# KiCad board AmigaPCI Mainboard.kicad_pcb (continued)
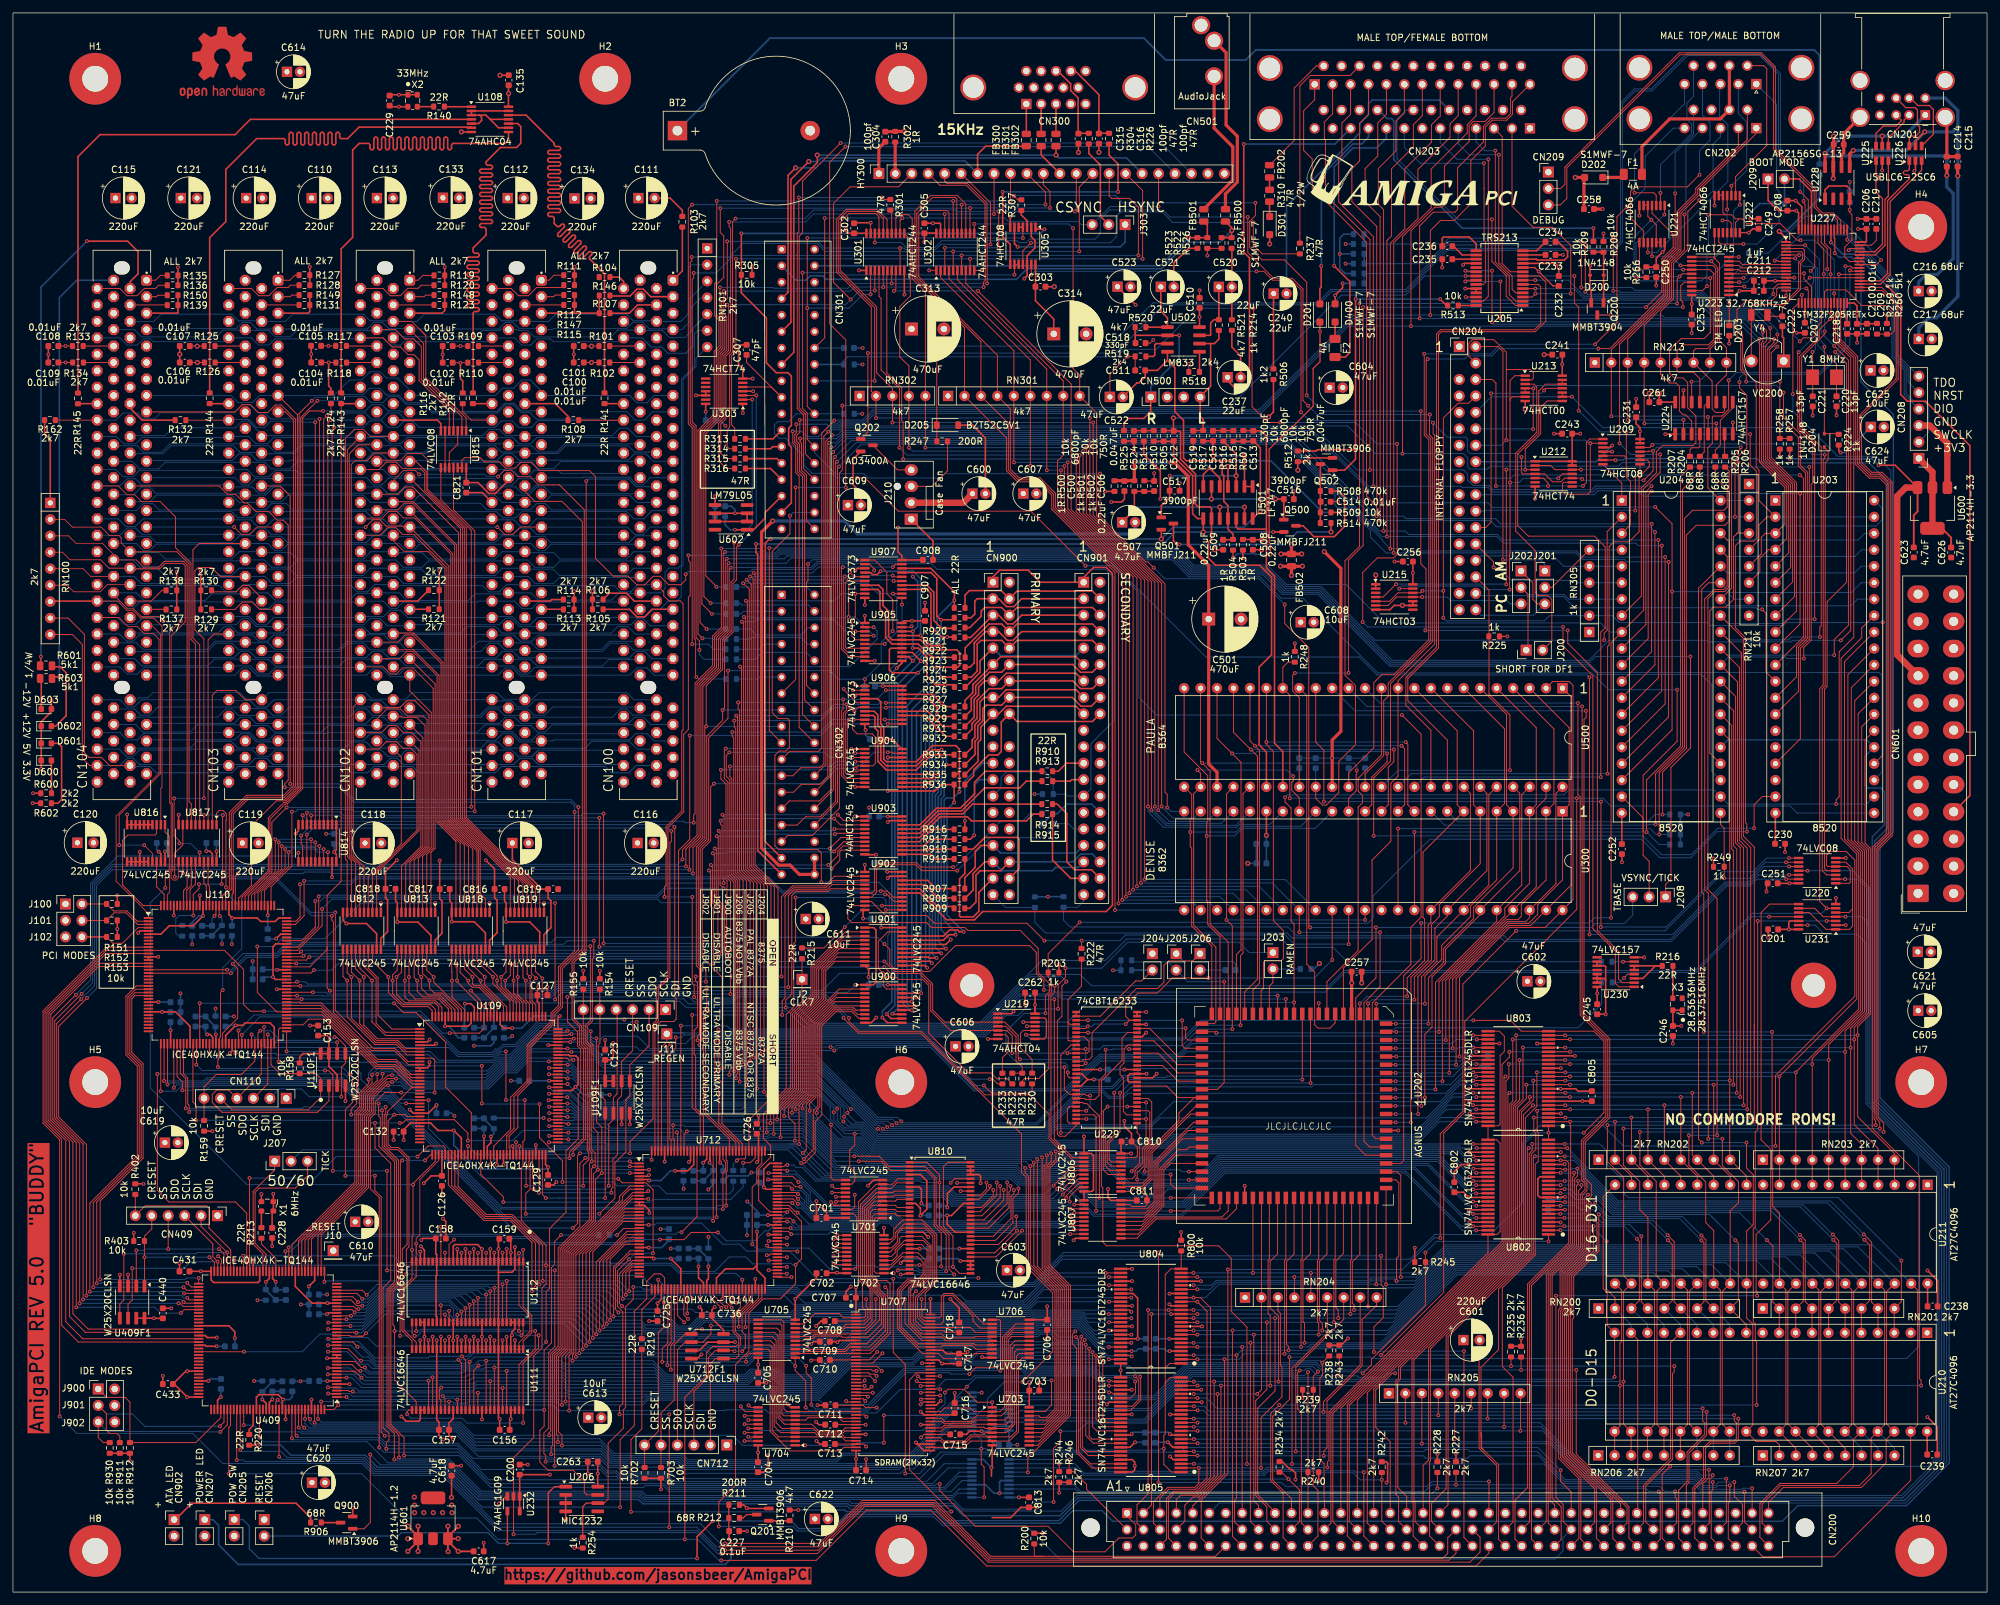
[diagram p0: board, top side]
## Routing (per net, layer and track width the routed paths; a pad name or vN(x,y) marks a point on that pad's centre or on a via; arc(x,y) is an arc through that point) (continued)
LVD30: length 366.3
  Top w0.15: 128.75,51.2 127.26,51.2 ; v1(135.87,154.17) 135.87,154.17 U907.12 ; U109.106 85.66,85.94 85.88,86.16 v1(86.23,86.16) ; v1(134.59,146.41) 134.57,146.39 U905.6 ; U409.45 44.09,54.19 53.09,63.19 53.09,74.06 53.84,74.8 53.84,77.03 55.44,78.63 v1(55.44,79.9) ; v1(112.75,155.78) 112.77,155.78 113.69,154.86 113.69,111.92 116.49,109.12 v1(116.49,83.63) ; U803.27 226.01,85.33 v1(226.01,85.33)
  In2.Cu w0.15: v1(127.26,51.21) 126.59,51.21 125.78,52.02 125.78,74.1 126.81,75.13 v1(126.81,83.62)
  Bottom w0.15: v1(134.59,146.41) 136.45,148.27 136.45,153.59 v1(135.87,154.17) 133.6,154.17 131.99,155.78 v1(112.75,155.78) ; v1(226.01,85.33) 222.83,85.33 222.21,84.7 182.04,84.7 180.07,82.74 167.86,82.74 162.52,77.4 148.38,77.4 141.7,84.08 127.46,84.08 127,83.62 v1(126.81,83.62) 116.5,83.62 v1(116.49,83.63) 96.78,83.63 96.21,84.2 89.99,84.2 88.04,86.16 v1(86.23,86.16) 81.21,86.16 77.03,81.98 75.16,81.98 73.13,79.94 60.73,79.94 59.74,80.94 56.47,80.94 v1(55.44,79.9)
LVD31: length 370.6
  Top w0.15: v1(225.46,85.97) 225.46,85.97 U803.26 ; v1(85.63,86.69) 85.38,86.44 U109.107 ; v1(135.84,156.95) 136.02,156.77 U907.16 ; 128.75,50.56 126.69,50.56 ; v1(117.56,84.15) 117.56,108.9 114.29,112.17 114.29,156.47 113.93,156.83 v1(113.82,156.83) ; U905.8 128.87,145.09 128.21,145.75 128.21,156.6 v1(128.44,156.83) ; U409.47 43.09,53.62 52.79,63.32 52.79,74.18 53.53,74.93 53.53,77.15 54.91,78.53 v1(54.91,79.13)
  In2.Cu w0.15: v1(126.69,50.55) 125.48,51.76 125.48,74.22 126.25,75 v1(126.25,84.15)
  Bottom w0.15: v1(113.82,156.83) v1(128.44,156.83) 131.12,156.83 131.24,156.95 v1(135.84,156.95) ; v1(225.46,85.97) 224.47,85.97 224.36,85.85 185.99,85.85 185.96,85.82 182.74,85.82 179.95,83.04 167.73,83.04 162.39,77.7 148.51,77.7 141.83,84.38 127.21,84.38 126.98,84.15 v1(126.25,84.15) v1(117.56,84.15) 117.56,84.16 112.07,84.16 111.84,83.93 98.33,83.93 96.43,85.83 91.2,85.83 90.34,84.96 89.66,84.96 87.94,86.69 v1(85.63,86.69) 81.31,86.69 76.91,82.28 75.04,82.28 73.23,80.47 60.63,80.47 59.86,81.23 56.03,81.23 54.91,80.12 v1(54.91,79.13)
LVDRA0-G: length 53.1
  Top w0.15: v1(121.59,62.58) 120.83,62.58 120.21,63.2 U712.102 ; U806.7 164.52,63.82 v1(162.08,61.38)
  Bottom w0.15: v1(162.08,61.38) 161.19,60.49 145.34,60.49 144.02,61.81 134.4,61.81 131.21,58.62 124.52,58.62 122.8,60.35 122.8,61.37 v1(121.59,62.58)
LVDRA1-0: length 53
  Top w0.15: U712.101 119.85,62.7 v1(120.29,62.26) ; U806.8 164.62,63.18 162.62,61.18 v1(162.62,60.86)
  Bottom w0.15: v1(120.29,62.26) 120.56,61.99 121.75,61.99 122.5,61.24 122.5,60.23 124.4,58.32 131.34,58.32 134.53,61.51 143.89,61.51 145.22,60.19 161.96,60.19 v1(162.62,60.86)
LVDRA2-1: length 52.5
  Top w0.15: v1(163.15,60.28) 163.15,61.05 164.62,62.52 165.36,62.52 ; v1(121.21,61.46) 120.97,61.7 U712.99
  Bottom w0.15: v1(163.15,60.28) 162.47,60.28 162.08,59.89 145.09,59.89 143.77,61.21 134.65,61.21 131.46,58.02 124.27,58.02 122.2,60.1 122.2,60.47 v1(121.21,61.46)
LVDRA3-2: length 50.8
  Top w0.15: U807.2 163.88,59.83 v1(163.88,59.83) ; v1(121.23,60.7) 120.73,61.2 U712.98
  Bottom w0.15: v1(121.23,60.7) 121.81,60.12 121.81,60.07 124.15,57.72 131.59,57.72 134.78,60.91 143.64,60.91 144.97,59.59 162.68,59.59 162.84,59.75 163.81,59.75 v1(163.88,59.83)
LVDRA4-3: length 50.7
  Top w0.15: U807.3 163.26,59.19 v1(163.26,59.18) ; v1(121.21,59.95) 120.45,60.7 U712.97
  Bottom w0.15: v1(121.21,59.95) 121.5,59.95 124.02,57.43 131.71,57.43 133.07,58.78 136.07,58.78 137.53,57.31 151.73,57.31 153.71,59.29 163.15,59.29 v1(163.26,59.18)
LVDRA5-4: length 50.6
  Top w0.15: v1(163.88,58.54) 163.88,58.53 U807.4 ; U712.96 120.21,60.2 v1(120.35,60.06)
  Bottom w0.15: v1(163.88,58.54) 162.69,58.54 162.4,58.83 153.94,58.83 152.12,57.01 137.41,57.01 135.94,58.48 133.19,58.48 131.84,57.12 123.9,57.12 121.73,59.3 121.11,59.3 v1(120.35,60.06)
LVDRA6-5: length 50.2
  Top w0.15: v1(163.26,57.89) 163.26,57.88 U807.5 ; v1(121.16,58.58) 120.92,58.82 120.68,58.82 119.79,59.7 U712.95
  Bottom w0.15: v1(163.26,57.89) 162.64,57.89 161.98,57.23 154.19,57.23 153.68,56.71 137.28,56.71 135.82,58.18 133.31,58.18 131.96,56.82 122.92,56.82 v1(121.16,58.58)
LVDRA7-6: length 49.3
  Top w0.15: 118.06,57.72 120.03,57.72 v1(120.52,57.24) ; v1(163.87,57.24) 163.88,57.24 U807.6
  Bottom w0.15: v1(120.52,57.24) 121.23,56.52 132.08,56.52 133.44,57.88 135.69,57.88 137.16,56.41 153.8,56.41 154.31,56.93 162.44,56.93 162.75,57.24 v1(163.87,57.24)
LVDRA8-7: length 49.1
  Top w0.15: v1(163.25,56.58) 163.25,56.58 U807.7 ; U712.90 v1(119.55,57.2)
  Bottom w0.15: v1(119.55,57.2) 119.81,57.2 120.79,56.22 132.21,56.22 133.56,57.58 135.57,57.58 137.03,56.12 154.01,56.12 154.53,56.63 163.2,56.63 v1(163.25,56.58)
LVDRA9-8: length 53.4
  Top w0.15: v1(119.55,65.05) 119.4,65.2 U712.106 ; v1(160.68,62.77) 163.68,65.77 U806.4
  Bottom w0.15: v1(160.68,62.77) 159.29,61.39 145.71,61.39 144.39,62.71 134.03,62.71 130.84,59.52 126.23,59.52 120.7,65.05 v1(119.55,65.05)
LVOVL: length 124.3
  Top w0.15: v1(25.92,43.08) 26.45,43.61 U409.81 ; U814.11 44.07,114.16 v1(44.07,114.17) ; v1(9.78,43.98) 9.78,43.99 9.78,69.38 6.15,73.01 6.15,88.67 v1(9.72,92.23)
  Bottom w0.15: v1(25.92,43.08) 25.91,43.07 22.81,43.07 21.9,43.98 v1(9.78,43.98) ; v1(9.72,92.23) 12,94.52 12,109.47 16.18,113.66 43.56,113.66 v1(44.07,114.17)
LVPARITY: length 21.2
  Top w0.15: U816.3 22.18,117.13 21.95,116.9 17.75,116.9 16.93,116.07 16.93,109.17 20.1,106 U110.144
LVSIZ0: length 229.3
  Top w0.15: v1(83.63,19.5) 83.62,19.5 83.62,20.28 ; U712.2 95.28,65.7 v1(95.23,65.75) ; 83.62,20.28 83.62,19.78 ; 83.62,20.28 83.62,36.55 84.79,37.71 84.79,52.88 89.34,57.44 89.34,65.38 v1(89.71,65.75) 89.89,65.93 89.89,67.77 89.28,68.37 89.28,84.33 88.66,84.96 88.66,87.38 89.46,88.18 89.46,97.73 89.69,97.95 89.69,100.57 v1(89.69,100.58) ; U110.17 v1(33.07,96.09)
  Bottom w0.15: U809.8 144.4,19.16 142,16.76 101.91,16.76 100.74,17.94 93.52,17.94 93.07,18.39 91.62,18.39 90.52,19.5 v1(83.63,19.5) ; v1(89.69,100.58) 85.58,100.58 85.03,100.03 42.43,100.03 40.7,98.3 35.98,98.3 33.77,96.09 v1(33.07,96.09) ; v1(95.23,65.75) v1(89.71,65.75)
LVSIZ1: length 227.9
  Top w0.15: U712.1 95.56,66.2 v1(95.24,66.51) ; v1(89.16,99.73) 89.16,88.3 88.36,87.5 88.36,84.83 88.99,84.21 88.99,68.25 89.37,67.87 v1(89.37,66.51) 89.04,66.19 89.04,57.56 84.49,53.01 84.49,37.84 83.32,36.67 83.32,22.59 83.1,22.37 v1(83.1,21.28) ; v1(33.66,95.56) 33.66,95.56 20.95,95.56
  Bottom w0.15: v1(83.1,21.28) 90.84,21.28 92.24,19.89 102.65,19.89 103.61,18.93 136.78,18.93 137.47,19.62 138.89,19.62 144.87,25.6 U808.2 ; v1(89.16,99.73) 42.55,99.73 40.82,98 36.1,98 v1(33.66,95.56) ; v1(89.37,66.51) 89.37,66.51 v1(95.24,66.51)
LVTM0: length 112.2
  Top w0.15: U409.136 44.09,25.4
  Bottom w0.15: U808.3 145.1,26.25 138.77,19.92 137.35,19.92 136.66,19.23 103.73,19.23 102.77,20.19 92.36,20.19 90.74,21.81 71.42,21.81 68.49,24.74 44.78,24.74 v1(44.12,25.4)
LVTM1: length 112.7
  Top w0.15: v1(44.97,25.38) 44.56,25.78 44.56,28.17
  Bottom w0.15: U808.6 145.47,28.2 141.9,24.63 141.9,23.48 138.64,20.22 137.22,20.22 136.53,19.53 103.86,19.53 102.9,20.49 92.49,20.49 90.87,22.11 71.54,22.11 68.62,25.03 45.31,25.03 v1(44.97,25.38)
LVTM2: length 110.6
  Top w0.15: 46.56,28.17 46.56,26.16 v1(46.57,26.16)
  Bottom w0.15: v1(46.57,26.16) 46.79,25.94 68.99,25.94 71.24,23.69 90.56,23.69 92.86,21.39 103.27,21.39 104.23,20.43 127.09,20.43 128.08,21.43 138.57,21.43 141,23.85 141,25 146.15,30.15 U808.9
LVTT0: length 245
  Top w0.15: v1(90.09,85.49) 90.09,72.6 90.91,71.79 v1(90.91,64.7) 89.94,63.74 89.94,57.19 85.39,52.64 85.39,37.46 84.22,36.3 84.22,24.75 84.76,24.21 84.76,22.64 v1(84.77,22.63) ; U409.138 v1(45.09,26.73) ; U712.4 v1(95.24,64.7) ; U110.60 v1(34.34,83.16)
  Bottom w0.15: 89.46,85.59 87.84,87.21 81.41,87.21 76.78,82.58 74.92,82.58 74.15,81.81 65.37,81.81 64.23,82.95 40.82,82.95 40.61,83.16 v1(34.34,83.16) ; 89.46,85.59 89.56,85.49 ; 89.46,85.59 89.56,85.49 ; 89.56,85.49 v1(90.09,85.49) ; v1(90.91,64.7) v1(95.24,64.7) ; U808.7 145.7,28.85 141.6,24.75 141.6,23.6 138.52,20.52 137.1,20.52 136.41,19.83 103.98,19.83 103.02,20.79 92.61,20.79 90.77,22.63 v1(84.77,22.63) 71.44,22.63 68.74,25.33 45.76,25.33 45.09,26.01 v1(45.09,26.73)
LVTT1: length 240.7
  Top w0.15: U110.73 42.25,83.48 v1(42.25,83.48) ; v1(45.88,26.69) 45.59,26.98 U409.139 ; v1(89.21,86.58) 89.21,84.84 89.59,84.46 89.59,71.68 90.31,70.95 v1(90.31,65.22) 89.65,64.56 89.65,57.31 85.09,52.76 85.09,37.59 83.93,36.42 83.93,24.36 84.15,24.13 v1(84.15,23.16) ; U712.3 v1(98.21,65.2)
  Bottom w0.15: v1(98.21,65.2) 98.19,65.22 v1(90.31,65.22) ; v1(45.88,26.69) 45.88,26.11 46.35,25.63 68.87,25.63 71.34,23.16 v1(84.15,23.16) 90.67,23.16 92.74,21.09 103.15,21.09 104.11,20.13 127.21,20.13 128.21,21.12 138.7,21.12 141.3,23.73 141.3,24.88 145.92,29.5 U808.8 ; v1(42.25,83.48) 64.41,83.48 65.78,82.11 74.02,82.11 74.87,82.95 76.73,82.95 81.29,87.51 88.28,87.51 v1(89.21,86.58)
LVUPA0: length 188.3
  Top w0.15: v1(26.16,77.49) 26.16,78.79 25.34,79.61 U110.42 ; v1(56.46,75.43) 56.46,75.43 56.46,73.51 56.72,73.24 56.72,71.88 56.5,71.65 56.5,68.87 58.92,66.44 58.92,47.89 57.75,46.72 57.75,25.63 58.88,24.5 58.88,20.48 v1(58.88,20.47)
  Bottom w0.15: U809.2 145.87,15.26 145.2,14.6 97.66,14.6 96.99,15.26 72.21,15.26 67.23,20.25 59.36,20.25 59.13,20.47 v1(58.88,20.47) ; v1(26.16,77.49) 29.81,77.49 30.52,78.21 50.63,78.21 53.41,75.43 v1(56.46,75.43)
LVUPA1: length 187.9
  Top w0.15: v1(27.21,74.12) 27.21,75.17 26.99,75.39 26.99,79.38 26.34,80.02 U110.44 ; v1(56.98,74.38) 57.03,74.34 57.03,68.76 59.22,66.56 59.22,47.77 58.05,46.6 58.05,25.76 59.6,24.21 v1(59.6,20.77)
  Bottom w0.15: v1(27.21,74.12) 27.43,74.33 ; 27.43,74.33 27.47,74.38 v1(56.98,74.38) ; 27.43,74.33 27.48,74.39 ; U809.3 146.09,15.91 145.08,14.9 97.78,14.9 97.12,15.56 72.34,15.56 67.35,20.55 59.82,20.55 v1(59.6,20.77)
M0H: length 95.8
  Top w0.15: v1(253.62,118.54) 253.62,126.37 257.77,130.53 257.77,170.24 260.46,172.93 R204.2
  Bottom w0.15: 255.8,118.54 v1(253.62,118.54) 252.53,118.54 252.4,118.42 221.06,118.42 U300.9
M0V: length 119.6
  Top w0.15: U300.38 213.85,117.88 v1(213.86,117.89) ; R205.2 262.84,172.08 264.68,170.25 264.68,167.54 264.18,167.04 259.36,167.04 258.07,165.76 258.07,130.4 254.18,126.51 v1(254.18,116.98)
  Bottom w0.15: v1(213.86,117.89) 222.38,117.89 252.79,117.89 253.7,116.98 v1(254.18,116.98) R309.2
M1H: length 96.2
  Top w0.15: v1(254.7,120.07) 254.7,126.61 258.38,130.28 258.38,163.2 259.9,164.73 264.33,164.73 264.98,165.38 264.98,173.1 R206.2
  Bottom w0.15: U300.8 223.07,118.94 252.4,118.94 253.53,120.07 R303.2
M1V: length 111.4
  Top w0.15: R207.2 257.48,172.25 257.48,130.65 252.22,125.4 v1(252.22,117.35) ; U300.39 216.39,117.36 v1(216.38,117.37)
  Bottom w0.15: v1(216.38,117.37) 252.23,117.37 254.15,115.44 R312.2
OVL: length 269.1
  Top w0.15: v1(109.38,161.14) 109.38,148.98 108.02,147.62 108.02,143.06 105.32,140.36 105.32,120.21 105.09,119.98 v1(105.09,118.81) ; U204.2 246.15,163.76 246.15,148.54 245.69,148.07 245.69,147 v1(245.7,146.99) ; v1(44.72,119.95) 44.72,119.94 U814.9
  Bottom w0.15: v1(245.7,146.99) 245.69,146.98 210.28,146.98 201.98,155.28 196.54,155.28 193.54,158.27 182.15,158.27 179.53,160.9 118.18,160.9 117.74,160.45 116.11,160.45 115.43,161.14 v1(109.38,161.14) ; v1(105.09,118.81) 103.78,118.81 103.57,119.02 45.65,119.02 v1(44.72,119.95)
PAR_DA: length 25.2
  Top w0.15: U110.82 44.29,91.09 44.42,90.96 47.6,90.96 56.32,82.24 59.16,82.24 61.46,79.94 U109.15
PBUSY: length 298.6
  Top w0.15: v1(215.85,195.48) 215.85,210.19 219.51,213.84 220.65,213.84 221.01,214.21 221.01,220.19 224.84,224.02 224.84,226.46 225.47,227.09 227.31,227.09 228.68,228.47 CN203.11 ; v1(266.73,194.52) 267.06,194.19 267.06,188.86 269.15,186.76 269.15,173.69 269.6,173.25 269.6,168.55 U203.2 270.82,166.02 269.58,164.78 269.58,162.47 RN211.5 ; CN302.18 121.91,135.52 121.91,172.22 121.15,172.98 121.15,177.14 120.7,177.59 120.7,178.74 120.95,178.98 v1(120.95,180.33)
  Bottom w0.15: v1(120.95,180.33) 121.79,180.33 125.66,180.33 125.92,180.07 127.44,180.07 127.74,180.37 131.44,180.37 133.05,181.98 192.66,181.98 206.16,195.48 v1(215.85,195.48) 215.86,195.47 265.77,195.47 v1(266.73,194.52) ; U203.2 U203.39
PCIDIR: length 157.8
  Top w0.15: v1(23.52,108.74) 23.52,110.98 24.14,111.6 24.14,116.72 23.48,117.38 U816.1 ; U111.28 61.62,38.79 60.07,40.34 60.07,46.93 61.62,48.48 U112.28 61.62,52.83 v1(61.62,52.84) 61.62,54.87 61.77,55.02 v1(61.77,62.92) 61.77,63.07 65.23,66.53 U109.38 ; v1(78.78,52.85) 78.77,52.84 U112.1 78.77,44.06 80.1,42.72 80.1,40.32 80.09,40.31 80.09,40.06 78.77,38.73 U111.1
  Bottom w0.15: v1(61.62,52.84) 61.62,52.23 62.66,51.19 77.74,51.19 78.78,52.23 v1(78.78,52.85) ; 61.28,62.91 36.12,62.91 21.21,77.83 21.21,106.42 v1(23.52,108.74) ; 61.28,62.91 61.76,62.91 v1(61.77,62.92) ; 61.28,62.91 61.62,62.91 61.62,62.92
PHASEA_D: length 25.2
  Top w0.15: U110.81 47.54,90.59 56.19,81.94 59.03,81.94 61.53,79.44 U109.16
PIO_P0: length 65.8
  Top w0.15: v1(28.68,48.5) 28.68,48.34 U409.73 ; v1(13.46,48.27) 13.46,60.36 20.1,67 20.1,81.57 18.34,83.32 18.34,91.62 18.81,92.09 U110.25
  Bottom w0.15: v1(28.68,48.5) 26.78,48.5 26.55,48.27 v1(13.46,48.27)
PIO_P1: length 66.9
  Top w0.15: v1(12.92,47.67) 12.94,47.69 12.94,60.26 19.8,67.12 19.8,81.45 18.04,83.2 18.04,91.75 18.84,92.54 20.88,92.54 ; v1(26.91,47.74) 27.54,47.11 U409.74
  Bottom w0.15: v1(26.91,47.74) 26.84,47.81 13.75,47.81 13.6,47.67 v1(12.92,47.67)
PIO_P2: length 68.6
  Top w0.15: v1(26.34,47.06) 26.79,46.61 U409.75 ; U110.23 18.96,93.09 17.75,91.87 17.75,83.08 19.5,81.32 19.5,67.25 12.4,60.14 12.4,47.06 v1(12.4,47.06)
  Bottom w0.15: v1(12.4,47.06) v1(26.34,47.06)
PIO_S0: length 70.4
  Top w0.15: U110.22 19.04,93.59 17.44,91.99 17.44,82.96 19.2,81.2 19.2,67.37 11.88,60.05 11.88,46.38 v1(11.87,46.38) ; v1(26.42,46.11) U409.76
  Bottom w0.15: v1(11.87,46.38) 26.15,46.38 v1(26.42,46.11)
PIO_S1: length 86.2
  Top w0.15: U409.87 11.62,40.61 9.25,42.97 9.25,69.48 5.85,72.88 5.85,89.24 13.2,96.59 U110.16
PIO_S2: length 87.7
  Top w0.15: U409.88 11.16,40.11 8.73,42.54 8.73,69.58 5.55,72.76 5.55,89.36 13.28,97.09 U110.15
PORTSIZE: length 146.5
  Top w0.15: U409.135 43.59,24.34 v1(43.79,24.14) ; v1(143.09,16.69) 143.09,15.67 148.6,10.16 159.81,10.16 163.76,6.21 168.6,6.21 170.74,8.35 172.87,8.35 173.35,8.83 173.35,10.42 172.01,11.76
  Bottom w0.15: v1(143.09,16.69) 142.57,16.69 142.35,16.46 101.79,16.46 100.61,17.64 93.4,17.64 93.18,17.87 91.72,17.87 90.66,18.93 72.3,18.93 68.58,22.65 57.55,22.65 56.33,23.87 44.06,23.87 v1(43.79,24.14)
PotX0: length 160.2
  Top w0.15: U223.17 258.06,202.25 257.5,201.7 257.5,199.5 257.82,199.18 v1(257.82,198.4) ; U500.32 198.61,138.13 197.58,139.16 197.58,141.56 v1(197.93,141.91) ; v1(252.15,198.4) 254.59,200.84 254.59,205.88 256.34,207.63 256.34,209.66 253.07,212.93 U221.4 ; v1(206.2,141.93) 206.2,144.28 206.19,144.28 206.19,159.34 208.47,161.62 v1(208.47,198.4)
  Bottom w0.15: v1(257.82,198.4) v1(252.15,198.4) v1(208.47,198.4) ; C205.1 198.6,124.35 ; v1(206.2,141.93) 206.18,141.91 v1(197.93,141.91)
PotX1: length 143.3
  Top w0.15: v1(217.9,191.2) 217.9,178.66 218.6,177.96 218.6,147.04 213.27,141.71 211.4,141.71 210.11,140.42 210.11,130.38 206.23,126.5 U500.35 ; v1(249.18,213.89) 247.66,212.37 247.66,196.06 v1(244.28,192.68)
  Bottom w0.15: v1(217.9,191.2) 217.9,191.19 228.17,191.19 229.65,192.68 v1(244.28,192.68) ; v1(249.18,213.89) 252.01,216.72 252.01,221.71 256.36,226.06 CN202.14 ; C203.1 206.25,124.35
PotY0: length 162.1
  Top w0.15: v1(256.95,198.97) 256.95,198.98 256.95,202.78 v1(257.33,203.15) 257.73,203.56 U223.15 ; U500.33 201.15,122.57 202.2,121.52 202.78,121.52 204.71,123.45 204.71,128.27 207.29,130.85 207.29,139.97 205.67,141.59 205.67,159.24 207.91,161.48 v1(207.91,198.97) ; U221.1 255.02,212.73 v1(254.99,212.7)
  Bottom w0.15: v1(257.33,203.15) 251.36,203.15 250.6,203.9 250.6,208.31 v1(254.99,212.7) ; v1(207.91,198.97) v1(256.95,198.97) ; C204.1 201.14,124.35
PotY1: length 144.5
  Top w0.15: v1(218.43,190.41) 218.2,190.18 218.2,178.78 218.9,178.08 218.9,146.92 212.33,140.35 212.33,138.31 211.64,137.61 211.64,129.17 208.77,126.3 U500.36 ; v1(256.64,215.98) 256.64,207.5 254.89,205.75 254.89,200.34 246.56,192.01 v1(244.79,192.01)
  Bottom w0.15: C202.1 208.78,124.35 ; CN202.18 259.48,225.1 256.64,222.25 v1(256.64,215.98) ; v1(218.43,190.41) 224.12,190.41 224.6,190.89 228.35,190.89 229.46,192.01 v1(244.79,192.01)
PPD0: length 280.9
  Top w0.15: v1(253,170.78) 252.12,169.9 252.12,149.41 U204.10 ; CN302.23 120.41,126.05 121.65,127.29 124.58,127.29 125.21,127.92 125.21,178.5 v1(125.88,179.17) ; v1(209.52,173.28) 209.52,208.86 202.65,215.73 202.65,224.24 202.48,224.41 202.48,227.01 203.75,228.28 CN203.2
  Bottom w0.15: v1(125.88,179.17) 126.18,179.47 127.68,179.47 127.98,179.77 201.01,179.77 207.5,173.28 v1(209.52,173.28) 223.98,173.28 224.6,172.66 224.6,171.73 225.45,170.88 227.91,170.88 228.56,170.22 243.78,170.22 244.33,170.78 v1(253,170.78)
PPD1: length 278.7
  Top w0.15: v1(210.04,170.75) 210.04,209.3 204.69,214.66 204.69,221.33 205.19,221.83 205.19,226.84 206.52,228.17 CN203.3 ; U204.11 252.48,147.23 252.48,150.92 252.48,150.92 252.48,169.44 v1(253.01,169.97) ; CN302.24 125.51,127.8 125.51,177.68 v1(126.47,178.64)
  Bottom w0.15: v1(253.01,169.97) 251.78,169.97 251.32,170.43 244.48,170.43 243.9,169.85 228.52,169.85 227.79,170.57 223.79,170.57 223.61,170.75 v1(210.04,170.75) 209.29,170.75 200.7,179.34 127.98,179.34 127.28,178.64 v1(126.47,178.64)
PPD2: length 288.5
  Top w0.15: CN203.4 209.29,228.17 207.92,226.8 207.92,220.98 206.73,219.79 206.73,214.71 210.57,210.87 v1(210.57,166.13) ; CN302.25 120.51,123.51 121.73,124.73 124.56,124.73 125.81,125.98 125.81,177.24 v1(126.04,177.47) ; U204.12 253,145.21 v1(253,164.95)
  Bottom w0.15: v1(253,164.95) 252.99,164.94 229.7,164.94 228.89,165.76 215.09,165.76 214.72,166.13 v1(210.57,166.13) 197.96,178.74 128.3,178.74 127.03,177.47 v1(126.04,177.47)
PPD3: length 285.7
  Top w0.15: v1(126.34,176.79) 126.11,176.55 126.11,125.86 CN302.26 ; v1(253.52,163.67) 253.52,143.19 U204.13 ; CN203.5 212.06,228.19 210.73,226.86 210.73,221.75 208.77,219.79 208.77,214.7 211.09,212.38 v1(211.09,165.45)
  Bottom w0.15: v1(253.52,163.67) 252.69,164.5 229.06,164.5 228.11,165.46 215.24,165.46 215.23,165.45 v1(211.09,165.45) 210.51,165.45 197.52,178.44 128.42,178.44 126.77,176.79 v1(126.34,176.79)
PPD4: length 296.1
  Top w0.15: U204.14 254.05,141.18 v1(254.05,162.45) ; v1(211.62,163.84) 211.62,213.48 210.81,214.28 210.81,219.83 213.53,222.55 213.53,227.09 214.83,228.39 CN203.6 ; v1(126.63,176.04) 126.41,175.81 126.41,124.04 124.53,122.16 119.87,122.16 CN302.27
  Bottom w0.15: v1(126.63,176.04) 128.74,178.14 196.66,178.14 210.96,163.84 v1(211.62,163.84) 214.98,163.84 215.51,163.3 229.18,163.3 230.03,162.45 254.04,162.45 v1(254.05,162.45)
PPD5: length 294.3
  Top w0.15: U204.15 254.57,139.16 v1(254.57,161.59) ; v1(212.14,163) 212.14,208.71 212.85,209.42 212.85,219.79 216.22,223.15 216.22,226.59 217.6,227.97 CN203.7 ; CN302.28 126.71,123.92 126.71,175.07 v1(126.93,175.29)
  Bottom w0.15: v1(126.93,175.29) 129.48,177.84 196.54,177.84 211.38,163 v1(212.14,163) 215.94,163 215.95,163 229.05,163 230.09,161.96 250.57,161.96 250.94,161.59 v1(254.57,161.59)
PPD6: length 306
  Top w0.15: CN302.29 121.08,118.43 122.36,119.71 124.62,119.71 127.01,122.1 127.01,174.32 v1(127.23,174.54) ; U204.16 255.1,137.15 v1(255.1,159.82) ; v1(212.67,161.11) 212.67,208.27 214.89,210.5 214.89,219.74 219.01,223.86 219.01,226.56 220.37,227.92 CN203.8
  Bottom w0.15: v1(127.23,174.54) 130.23,177.54 196.41,177.54 211.48,162.47 211.48,162.3 v1(212.67,161.11) 214.4,161.11 214.75,160.76 241.45,160.76 242.4,159.82 255.09,159.82 v1(255.1,159.82)
PPD7: length 306.1
  Top w0.15: v1(127.53,173.8) 127.31,173.58 127.31,121.98 CN302.30 ; v1(255.62,159.09) 255.62,135.13 U204.17 ; v1(213.19,160.46) 213.19,208.37 216.93,212.12 216.93,219.68 221.88,224.62 221.88,226.71 223.14,227.97 CN203.9
  Bottom w0.15: v1(255.62,159.09) 249.17,159.09 248.8,159.46 242.33,159.46 241.33,160.46 213.19,160.46 v1(213.19,160.46) 212.03,160.46 209.6,162.89 209.6,163.92 206.1,167.43 204.56,167.43 204.12,167.87 204.12,169.41 196.29,177.24 130.97,177.24 v1(127.53,173.8)
PPOUT: length 308.7
  Top w0.15: v1(217.19,196.67) 217.19,210.95 219.32,213.08 222.66,213.08 223.05,213.48 223.05,219.94 227.04,223.92 227.04,226.33 228.29,227.58 230.51,227.58 231.23,228.3 231.23,230.79 231.45,231.01 CN203.12 ; v1(121.49,180.98) 121.49,179.1 121,178.61 121,177.71 121.45,177.26 121.45,173.11 122.23,172.34 122.23,137.74 CN302.16 ; RN211.6 269.95,160.3 269.95,162.87 270.56,163.48 U203.3 273.57,164.92 273.57,170.58 269.68,174.47 v1(269.68,193.5)
  Bottom w0.15: v1(121.49,180.98) 125.97,180.98 126.58,180.37 127.21,180.37 127.51,180.67 131.32,180.67 132.93,182.28 192.54,182.28 206.93,196.67 v1(217.19,196.67) 228.5,196.67 229.02,196.15 267.02,196.15 v1(269.68,193.5) ; 272.13,163.49 273.26,164.62 287.64,164.62 288.61,165.59 288.61,167.34 287.38,168.57
PS_ON: length 102.6
  Top w0.25: U227.54 280.7,208.42 v1(280.69,208.41) ; CN601.16 302.15,122.99 302.15,177.03 295.29,183.89 292.5,183.89 291.47,184.92 291.47,199.59 v1(289.37,201.69)
  Bottom w0.25: v1(289.37,201.69) 284.47,206.59 282.51,206.59 v1(280.69,208.41)
PSEL: length 299.6
  Top w0.15: v1(218.85,197.2) 218.85,210.24 220.4,211.79 222.5,211.79 225.09,214.38 225.09,221.06 227.34,223.3 227.34,226.21 228.41,227.28 230.63,227.28 231.53,228.18 231.53,230.12 CN203.13 ; v1(270.2,194.57) 270.2,194.57 270.2,193.09 269.98,192.87 269.98,174.6 273.87,170.7 273.87,162.69 U203.4 271.02,160.94 269.72,159.64 269.72,157.53 RN211.7 ; v1(126.8,180.89) 124.87,178.96 124.87,130.31 124.38,129.82 119.91,129.82 CN302.21 ; Q200.3 v1(246.67,197.2)
  Bottom w0.15: v1(126.8,180.89) 126.88,180.97 131.19,180.97 132.8,182.58 192.42,182.58 207.04,197.2 v1(218.85,197.2) v1(246.67,197.2) 254.55,197.2 255,196.75 268.02,196.75 v1(270.2,194.57)
PSTROBE: length 281.5
  Top w0.15: v1(253.58,167.54) 256.17,164.95 v1(256.17,154.48) 256.17,133.14 U204.18 ; v1(210.04,168.19) 208.99,169.24 208.99,208.43 200.61,216.81 200.61,221.28 199.28,222.61 199.28,228.73 200.98,230.44 CN203.1 ; CN301.36 122.53,165.4 122.53,172.46 121.75,173.24 121.75,177.39 121.53,177.61 v1(121.53,178.12)
  Bottom w0.15: v1(121.53,178.12) 127.24,178.12 128.16,179.04 200.57,179.04 210.04,169.57 v1(210.04,168.19) 215.41,168.19 215.42,168.2 227.73,168.2 228.45,167.48 249.49,167.48 249.54,167.54 v1(253.58,167.54) ; RN211.8 265.77,153.32 264.6,154.48 v1(256.17,154.48)
R_W: length 263.4
  Top w0.15: v1(242.55,70.92) 245.64,74.01 245.64,85.05 244.09,86.6 U803.24 232.9,86.6 231.22,88.28 v1(225.48,88.28) ; U802.1 v1(237.09,54.15) ; v1(218.08,52.42) 218.08,44.27 209.75,35.94 209.75,35.13 v1(208.4,33.77) ; U219.9 v1(156.41,86.06) ; v1(198.67,34.22) 198.37,33.92 198.37,28.26 198.93,27.7 198.93,10.67 CN200.b12 ; 237.09,71.99 v1(237.09,70.92) 237.09,70.92 U802.24
  Bottom w0.15: v1(225.48,88.28) 225.47,88.29 183.37,88.29 180.64,85.55 156.92,85.55 v1(156.41,86.06) ; v1(237.09,54.15) 232.61,54.15 ; 232.61,54.15 233.46,55 233.46,69.33 235.05,70.92 v1(237.09,70.92) v1(242.55,70.92) ; 232.61,54.15 219.81,54.15 v1(218.08,52.42) ; U808.16 155.09,27.55 155.59,28.05 175.61,28.05 181.77,34.21 198.29,34.21 ; 198.29,34.21 198.44,34.21 ; 198.29,34.21 198.3,34.22 v1(198.67,34.22) 199.38,34.22 199.66,34.5 200.3,34.5 201.35,33.45 201.98,33.45 202.52,34 208.17,34 v1(208.4,33.77)
R_WA: length 251.3
  Top w0.15: v1(281.51,121.68) 281.51,122.35 281.97,122.81 281.97,145.2 284.22,147.45 284.22,190.57 281.4,193.39 281.4,196.91 280.7,197.61 U227.27 ; U202.22 v1(197.8,91.05) 197.8,103.15 197.34,103.61 197.34,121.07 196.41,122 v1(196.41,122.73) ; U219.12 v1(156,88.01)
  Bottom w0.15: U203.22 286.2,121.68 v1(281.51,121.68) 264.81,121.68 263.86,122.63 ; v1(197.8,91.05) 165.89,91.05 162.85,88.01 v1(156,88.01) ; v1(196.41,122.73) 196.79,123.11 229.33,123.11 229.33,123.11 239.47,123.11 240.22,123.86 262.62,123.86 U204.22
RAMCLK: length 103.7
  Top w0.15: R219.2 97.1,25.2 95.43,23.53 v1(95.43,12.38) ; 138.44,22.44 138.44,32.78 139.51,33.85 U707.68 ; 138.44,22.44 138.44,18.87 v1(144.89,12.42) ; 138.44,22.44 138.44,21.43
  Bottom w0.15: v1(144.89,12.42) 143.6,12.42 143.24,12.78 129.27,12.78 128.8,13.25 119.05,13.25 118.19,12.38 v1(95.43,12.38)
RAWLEFT: length 145.5
  Top w0.25: 188.44,177.7 191.45,177.7 ; v2(177.31,162.61) 177.31,164.03 ; C513.1 192.59,176.68 v2(192.59,166.93) 191.43,165.76 ; CN302.33 116.16,115.88 116.16,161.98 116.79,162.61 v1(117.01,162.61)
  Bottom w0.25: v1(117.01,162.61) v2(177.31,162.61) 179.11,164.41 190.06,164.41 v2(192.59,166.93)
RAWRIGHT: length 154.4
  Top w0.25: Q500.2 194.62,163.69 194.62,163.69 ; C512.1 179.22,175.36 182.14,172.44 182.14,166.51 182.88,165.76 U501.8 v2(183.79,163.68) ; v1(114.73,161.84) 114.73,160.51 114.99,160.25 114.99,114.5 CN302.35 ; R510.1 179.17,177.7
  Bottom w0.25: v1(114.73,161.84) 177.59,161.84 179.43,163.68 v2(183.79,163.68) 183.8,163.69 194.57,163.69 v1(194.58,163.68)
RGA1: length 64.4
  Top w0.15: U202.33 185.49,87.78 185.73,88.02 185.73,99.58 182.3,103.02 182.3,123.26 U500.26 183.37,126.44 v1(182.88,126.93) ; U300.17 198.61,122.64 197.44,123.8 197.44,125.01 197.67,125.23 v1(197.67,125.97)
  Bottom w0.15: v1(182.88,126.93) 196.71,126.93 v1(197.67,125.97)
RGA2: length 57.7
  Top w0.15: U500.25 182,123.17 182,119.49 181.77,119.27 v1(181.77,117.36) 181.77,115.1 182,114.88 182,102.85 185.1,99.74 U202.32
  Bottom w0.15: v1(181.77,117.36) 188.81,117.36 189.69,118.24 198.84,118.24 U300.16